# Altium PCB PCB4.PcbDoc (continued)
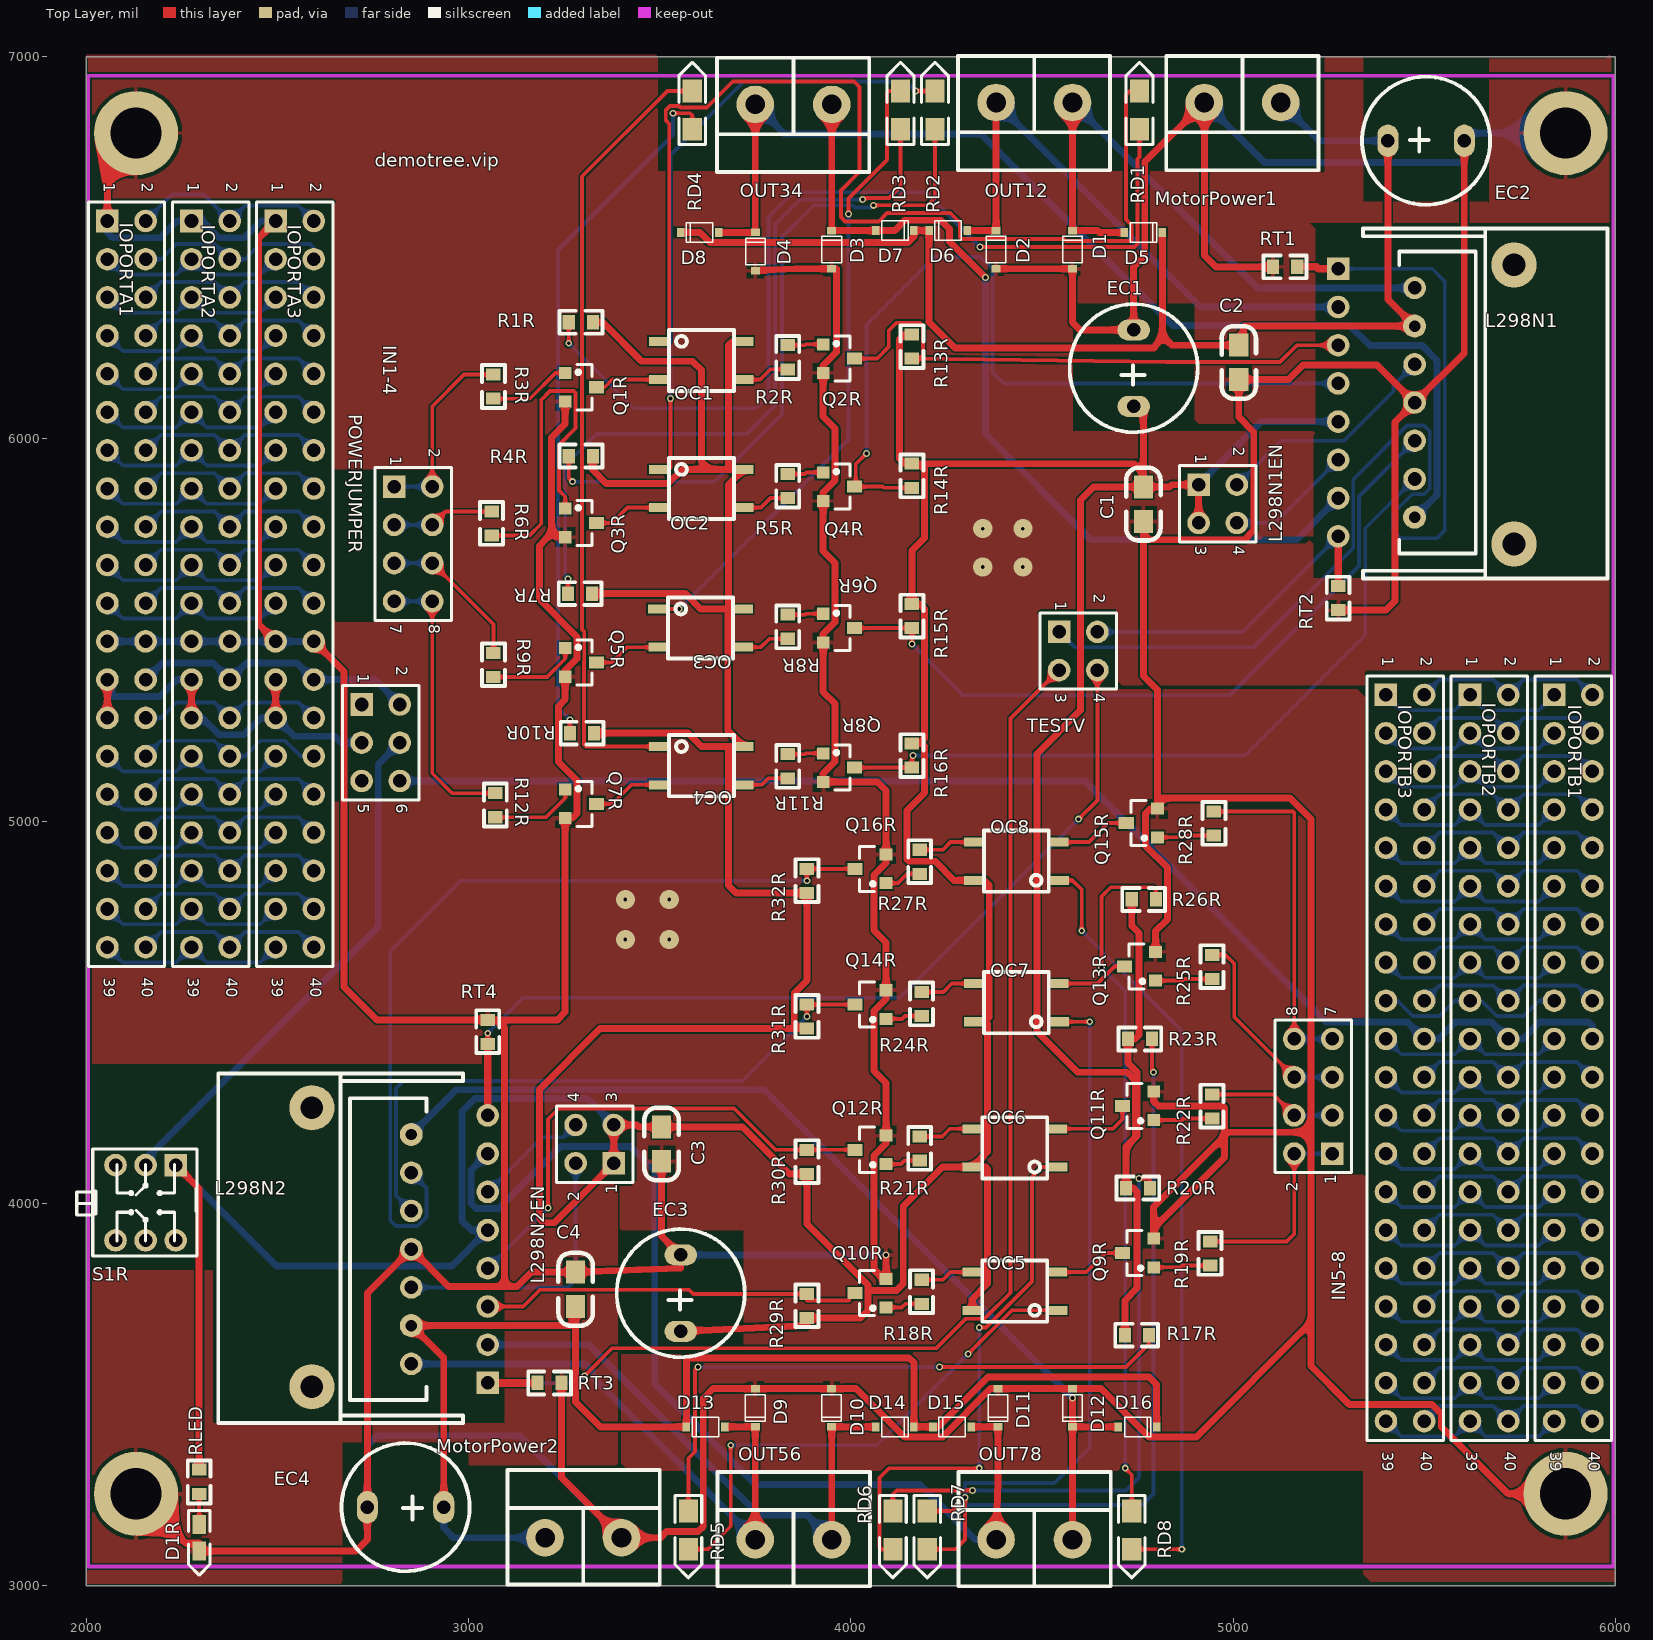
[diagram p0: Top Layer view]
## Nets (pads, with @x,y where several pads share a name; then routed paths per layer and width w, separated by ;. In a path a pad name is that pad's centre, name@x,y a point inside that pad or via, vN(x,y) a via of type N, cw(c..) or ccw(c..) an arc to the next point about the centre after c; other vN are vias at no path point) (continued)
  Bottom Layer w18: IOPORTA1.23 IOPORTA1.24 IOPORTA2.23 IOPORTA2.24 IOPORTA3.23 IOPORTA3.24 ; IOPORTA1.1 2055,6540 2069,6526 2193,6526 2237,6570 IOPORTA2.1 2303,6570 2347,6526 2413,6526 2457,6570 IOPORTA3.1 ; EC4.2 2735,3367 2760,3392 3133,3392 MotorPower2.2 ; EC3.2 v1(4092.32,3865) ; MotorPower1.2 5082,6723 5600,6723 5605,6728 EC2.2 5605,6800 pad.5
  other v2: 3410,4690 3525,4690 3410,4795 3525,4795 4345,5665 4450,5665 4345,5765 4450,5765
IO1: IN1-4.1 IN1-4.2 R3R.1 | length 504.4
  Top Layer w10: IN1-4.2 2905,6085 2987.99,6167.99 R3R.1
  Bottom Layer w10: IN1-4.1 IN1-4.2
IO1B: L298N1.5 Q2R.3 R13R.1 | length 1488.9
  Top Layer w10: Q2R.3 4069,6210 4099,6240 4099,6283 4120,6304 4180,6304 4189,6295 4189,6220 4179,6210 R13R.1 4826,6201 5123,6201 5167,6245 L298N1.5
IO2: IN1-4.3 IN1-4.4 R6R.1 | length 269.5
  Top Layer w10: IN1-4.4 2940,5810 R6R.1
  Bottom Layer w10: IN1-4.3 IN1-4.4
IO2B: L298N1.7 Q4R.3 R14R.1 | length 2190.1
  Top Layer w10: Q4R.3 Q4R.3@4013,5875 ; v1(4041,5962) 4013,5934 Q4R.3@4013,5875 ; R14R.1 4085.99,5872.01 4083,5875 Q4R.3@4013,5875
  Bottom Layer w10: v1(4041,5962) 4041,6298 4219,6476 4340,6476 4371,6445 4371,6174 4400,6145 L298N1.7
IO3: IN1-4.5 IN1-4.6 R9R.1 | length 401.3
  Top Layer w10: IN1-4.6 3065,5515 R9R.1
  Bottom Layer w10: IN1-4.5 IN1-4.6
IO3B: L298N1.10 Q6R.3 R15R.1 | length 1945.5
  Top Layer w10: Q6R.3 R15R.1 v1(4160,5463)
  Bottom Layer w10: v1(4160,5463) 4294,5329 4990.74,5329 5329.53,5667.79 5329.53,5849.53 L298N1.10
IO4: IN1-4.7 IN1-4.8 R12R.1 | length 736.5
  Top Layer w10: IN1-4.8 2905,5125 2957.01,5072.99 R12R.1
  Bottom Layer w10: IN1-4.7 IN1-4.8
IO4B: L298N1.12 Q8R.3 R16R.1 | length 1958.8
  Top Layer w10: Q8R.3 R16R.1 4160,5169 v1(4163,5172)
  Bottom Layer w10: v1(4163,5172) 5031,5172 5346,5487 5346,5766 L298N1.12
IO5: IN5-8.1 IN5-8.2 R19R.1 | length 538.3
  Top Layer w10: R19R.1 5140,3900 5160,3920 IN5-8.2
  Bottom Layer w10: IN5-8.2 IN5-8.1
IO5B: L298N2.5 Q10R.3 R29R.1 | length 1019.4
  Top Layer w10: L298N2.5 3143,3730 3187,3774 3576.99,3774 3588,3762.99 R29R.1 3885,3746 3995.94,3746 3995.94,3765 Q10R.3
IO6: IN5-8.3 IN5-8.4 R22R.1 | length 337.8
  Top Layer w10: R22R.1 5105,4285 IN5-8.4
  Bottom Layer w10: IN5-8.4 IN5-8.3
IO6B: L298N2.7 Q12R.3 R30R.1 | length 1314.4
  Top Layer w10: v1(3208,3988) 3208,4220 3236,4248 3695,4248 3803,4140 R30R.1 Q12R.3
  Bottom Layer w10: L298N2.7 v1(3208,3988)
IO7: IN5-8.5 IN5-8.6 R25R.1 | length 529.6
  Top Layer w10: R25R.1 4980,4650 5003,4627 5003,4487 IN5-8.6
  Bottom Layer w10: IN5-8.6 IN5-8.5
IO7B: L298N2.10 Q14R.3 R31R.1 | length 1646.5
  Top Layer w10: v1(3885,4489) R31R.1 Q14R.3
  Bottom Layer w10: L298N2.10 2810,4020 2810,4300 2830,4320 3716,4320 v1(3885,4489)
IO8: IN5-8.7 IN5-8.8 R28R.1 | length 903.2
  Top Layer w10: R28R.1 5157,5025 5160,5022 IN5-8.8
  Bottom Layer w10: IN5-8.8 IN5-8.7
IO8B: L298N2.12 Q16R.3 R32R.1 | length 2270.8
  Top Layer w10: v1(3885,4844) R32R.1 Q16R.3
  Bottom Layer w10: L298N2.12 2890,4040 2890,3964.1 2866.37,3940.47 2810,3940.47 2795,3955.47 2795,4660 2979,4844 v1(3885,4844)
NetD1R_A: D1R.A RLED.1 | length 80.1
  Top Layer w10: RLED.1 2295,3199.26 2295.26,3199 D1R.A
NetOC1_1: OC1.1 RD1.K | length 2799.6
  Top Layer w10: OC1.1 3525,6255 3525,6824 3516,6833 3516,6860 3527,6871 3550,6871 3554,6867 3623,6867 3691,6935 4009,6935 4023,6921 4023,6699 3974,6650 3974,6580 3985,6569 4073,6569 4095,6591 4260,6591 4285,6566 4285,6528.19 4290,6523.19 4557,6523.19 4562.19,6518 4734.84,6518 4734.84,6559.08 4719.84,6574.08 4719.84,6900 4729.84,6910 RD1.K
NetOC1_2: OC1.2 Q1R.3 | length 171.9
  Top Layer w10: Q1R.3 3356,6135 3376,6155 OC1.2
NetOC1_3: OC1.3 R2R.1 | length 126.2
  Top Layer w10: OC1.3 3763,6155 3790.01,6182.01 R2R.1
NetOC2_1: OC2.1 RD2.K | length 1633
  Top Layer w10: OC2.1 3523,5920 3528,5925 v1(3528,6105.7) ; v1(4170,6910) RD2.K
  Bottom Layer w10: v1(3528,6105.7) 3528,6743 3720,6935 4145,6935 v1(4170,6910)
NetOC2_2: OC2.2 Q3R.3 | length 180.2
  Top Layer w10: Q3R.3 3376,5780 3416,5820 OC2.2
NetOC2_3: OC2.3 R5R.1 | length 125.4
  Top Layer w10: OC2.3 3765,5820 3790,5845 R5R.1
NetOC3_1: OC3.1 RD3.K | length 1668.4
  Top Layer w10: OC3.1 v1(3551,5555) ; v1(3994,6588) 3994,6629 4095,6730 4095,6905 4100,6910 RD3.K
  Bottom Layer w10: v1(3551,5555) 3994,5998 v1(3994,6588)
NetOC3_2: OC3.2 Q5R.3 | length 178.2
  Top Layer w10: Q5R.3 3375,5415 3415,5455 OC3.2
NetOC3_3: OC3.3 R8R.1 | length 126.1
  Top Layer w10: OC3.3 3765,5455 3787.01,5477.01 R8R.1
NetOC4_1: OC4.1 RD4.K | length 2066.9
  Top Layer w10: OC4.1 3307,5195 3302,5200 3302,5416.63 3302.41,5417.05 3302.41,5495.74 3297,5501.15 3297,6687 3520,6910 RD4.K
NetOC4_2: OC4.2 Q7R.3 | length 184.3
  Top Layer w10: Q7R.3 3376,5045 3426,5095 OC4.2
NetOC4_3: OC4.3 R11R.1 | length 122
  Top Layer w10: OC4.3 3768,5095 3785.01,5112.01 R11R.1
NetOC5_1: OC5.1 RD5.K | length 1349.1
  Top Layer w10: RD5.K 3626,3095 3686,3155 v1(3686,3367) ; v1(4307,3606) 4421,3720 OC5.1
  Bottom Layer w10: v1(3686,3367) 4068,3367 v1(4307,3606)
NetOC5_2: OC5.2 Q9R.3 | length 191.3
  Top Layer w10: OC5.2 4616,3820 4666,3870 Q9R.3
NetOC5_3: OC5.3 R18R.1 | length 141.3
  Top Layer w10: R18R.1 4241,3800 4261,3820 OC5.3
NetOC6_1: OC6.1 RD6.K | length 1397.7
  Top Layer w10: RD6.K 4080,3095 4075,3100 4075,3282 4100,3307 v1(4336,3307) ; v1(4336,3675) 4353.59,3675 4474,3795.41 4474,4069 4500,4095 OC6.1
  Bottom Layer w10: v1(4336,3307) v1(4336,3675)
NetOC6_2: OC6.2 Q11R.3 | length 216
  Top Layer w10: OC6.2 4685.63,4195 4710.63,4220 Q11R.3
NetOC6_3: OC6.3 R21R.1 | length 146.3
  Top Layer w10: R21R.1 4239,4175 4259,4195 OC6.3
NetOC7_1: OC7.1 RD7.K | length 1815.9
  Top Layer w10: RD7.K 4274,3095 4299,3120 v1(4299,3230) ; OC7.1 v1(4625,4475)
  Bottom Layer w10: v1(4299,3230) 4299,3267 4300,3268 4533,3268 4625,3360 v1(4625,4475)
NetOC7_2: OC7.2 Q13R.3 | length 190.3
  Top Layer w10: OC7.2 4645.15,4575 4690.15,4620 Q13R.3
NetOC7_3: OC7.3 R24R.1 | length 146.1
  Top Layer w10: R24R.1 4242,4552.99 4264.01,4575 OC7.3
NetOC8_1: OC8.1 RD8.K | length 2034.5
  Top Layer w10: OC8.1 4580,4845 4604,4821 v1(4604,4712.93) ; RD8.K v1(4866,3095)
  Bottom Layer w10: v1(4604,4712.93) 4866,4450.93 v1(4866,3095)
NetOC8_2: OC8.2 Q15R.3 | length 197.3
  Top Layer w10: OC8.2 4623,4945 4673,4995 Q15R.3
NetOC8_3: OC8.3 R27R.1 | length 150.3
  Top Layer w10: R27R.1 4241,4925 4261,4945 OC8.3
NetQ1R_1: Q1R.1 R3R.2 | length 215.6
  Top Layer w10: R3R.2 3160,6105 3227.4,6172.4 Q1R.1
NetQ2R_1: Q2R.1 R2R.2 | length 93.7
  Top Layer w10: R2R.2 3880,6245 3882.4,6247.4 Q2R.1
NetQ3R_1: Q3R.1 R6R.2 | length 895.9
  Top Layer w10: R6R.2 3159,5747.01 3190,5778.01 3190,6102 3213,6125 3275,6125 3280,6120 3280,6027.74 3236.26,5984 3236.26,5864.91 3252.68,5848.49 Q3R.1
NetQ4R_1: Q4R.1 R5R.2 | length 94.5
  Top Layer w10: R5R.2 3879,5907.99 3883.41,5912.4 Q4R.1
NetQ5R_1: Q5R.1 R9R.2 | length 235.1
  Top Layer w10: R9R.2 3205.01,5377.01 3252.68,5424.68 Q5R.1
NetQ6R_1: Q6R.1 R8R.2 | length 93.7
  Top Layer w10: R8R.2 3880,5540 3882.4,5542.4 Q6R.1
NetQ7R_1: Q7R.1 R12R.2 | length 225.8
  Top Layer w10: R12R.2 3202.68,5010 3252.68,5060 Q7R.1
NetQ8R_1: Q8R.1 R11R.2 | length 93.7
  Top Layer w10: R11R.2 3880,5175 3882.4,5177.4 Q8R.1
NetQ9R_1: Q9R.1 R19R.2 | length 149.5
  Top Layer w10: Q9R.1 4863,3832.6 4867.41,3837.01 R19R.2
NetQ10R_1: Q10R.1 R18R.2 | length 96.6
  Top Layer w10: Q10R.1 4133,3727.6 4142.41,3737.01 R18R.2
NetQ11R_1: Q11R.1 R22R.2 | length 154.5
  Top Layer w10: Q11R.1 4866,4217.6 4870.41,4222.01 R22R.2
NetQ12R_1: Q12R.1 R21R.2 | length 91.6
  Top Layer w10: Q12R.1 4131,4102.6 4140.41,4112.01 R21R.2
NetQ13R_1: Q13R.1 R25R.2 | length 149.5
  Top Layer w10: Q13R.1 4868,4582.6 4872.41,4587.01 R25R.2
NetQ14R_1: Q14R.1 R24R.2 | length 95.7
  Top Layer w10: Q14R.1 4134,4482.6 4141.4,4490 R24R.2
NetQ15R_1: Q15R.1 R28R.2 | length 149.5
  Top Layer w10: Q15R.1 4873,4957.6 4877.41,4962.01 R28R.2
NetQ16R_1: Q16R.1 R27R.2 | length 97.8
  Top Layer w10: Q16R.1 4123,4837.6 4147.41,4862.01 R27R.2
NetR1R_2: R1R.2 RD1.A | length 2486.6
  Top Layer w10: v1(3262.01,6249.99) R1R.2 ; v1(4338,6502) 4741.84,6502 4749.84,6510 4749.84,6731.84 4755,6737 RD1.A
  Bottom Layer w10: v1(3262.01,6249.99) 3432,6080 3753.8,6080 3785,6111.2 3785,6580 3850,6645 4195,6645 v1(4338,6502)
NetR4R_2: R4R.2 RD2.A | length 1782.6
  Top Layer w10: R4R.2 3262.01,5897.99 v1(3272,5888) ; v1(4059,6611) 4200,6611 4220,6631 RD2.A
  Bottom Layer w10: v1(3272,5888) 3643.79,5888 3820,6064.21 3820,6528 3903,6611 4004.98,6611 4011.09,6604.89 4052.89,6604.89 v1(4059,6611)
NetR7R_2: R7R.2 RD3.A | length 1945.5
  Top Layer w10: R7R.2 v1(3260,5634) ; v1(4031,6626) 4035,6630 4100,6630 4130,6660 RD3.A
  Bottom Layer w10: v1(3260,5634) 3253,5641 3253,5931 3335,6013 3728,6013 3802,6087 3802,6561 3867,6626 v1(4031,6626)
NetR10R_2: R10R.2 RD4.A | length 1848.6
  Top Layer w10: R10R.2 v1(3265,5265) ; v1(3535,6852) 3580,6852 3585,6847 RD4.A
  Bottom Layer w10: v1(3265,5265) 3234,5296 3234,6494 3535,6795 v1(3535,6852)
NetR17R_2: R17R.2 RD5.A | length 1615.2
  Top Layer w10: RD5.A 3575,3333 3592,3350 3592,3564 v1(3600,3572) ; v1(4232,3572) 4720,3572 4780,3632 R17R.2
  Bottom Layer w10: v1(3600,3572) v1(4232,3572)
NetR20R_2: R20R.2 RD6.A | length 1539.3
  Top Layer w10: RD6.A 4110,3239 4120,3249 v1(4318,3249) ; v1(4754,4065) 4777.99,4065 4782.99,4060 R20R.2
  Bottom Layer w10: v1(4318,3249) 4720,3249 4754,3283 v1(4754,4065)
NetR23R_2: R23R.2 RD7.A | length 1802.3
  Top Layer w10: RD7.A 4264,3195 v1(4280,3211) ; R23R.2 4787.99,4347.01 v1(4792,4343)
  Bottom Layer w10: v1(4280,3211) 4763,3211 4792,3240 v1(4792,4343)
NetR26R_2: R26R.2 RD8.A | length 1820.6
  Top Layer w10: v1(4656,4617) 4656,4803 4680,4827 4790.99,4827 4797.99,4820 R26R.2 ; v1(4718,3307) 4735,3290 RD8.A
  Bottom Layer w10: v1(4656,4617) 4718,4555 v1(4718,3307)
NRST: IOPORTA1.34 IOPORTA2.34 IOPORTA3.34 | length 506.3
  Bottom Layer w10: IOPORTA1.34 2195,5010 2335,5010 IOPORTA2.34 2415,5010 2555,5010 IOPORTA3.34
OUT1: D1.K D5.A L298N1.2 OUT12.1 | length 1568
  Top Layer w18: OUT12.1 D1.K 4645,6545 4650,6540 D5.A
  Bottom Layer w18: OUT12.1 5065,6395 L298N1.2
OUT2: D2.K D6.A L298N1.3 OUT12.2 | length 1526.6
  Top Layer w18: D6.A D2.K OUT12.2
  Bottom Layer w18: OUT12.2 4915,6345 L298N1.3
OUT3: D3.K D7.A L298N1.13 OUT34.1 | length 2316.5
  Top Layer w18: OUT34.1 D3.K D7.A 4115,6545 4142,6572 4235,6572 4258.4,6548.6 4258.4,6515.79 v1(4352,6422.19)
  Bottom Layer w18: v1(4352,6422.19) 4352,6013 4629,5736 5166,5736 L298N1.13
OUT4: D4.K D8.A L298N1.14 OUT34.2 | length 2925.6
  Top Layer w18: D8.A D4.K OUT34.2
  Bottom Layer w18: OUT34.2 3827,6798 4341,6798 4842,6297 5305,6297 5358,6244 5495,6244 5533.53,6205.47 5533.53,5853.53 L298N1.14
OUT5: D9.K D13.A L298N2.2 OUT56.1 | length 1474.9
  Top Layer w18: D13.A D9.K OUT56.1
  Bottom Layer w18: L298N2.2 3306,3580 3326,3560 3326,3544 OUT56.1
OUT6: D10.K D14.A L298N2.3 OUT56.2 | length 1521.2
  Top Layer w18: OUT56.2 D10.K D14.A
  Bottom Layer w18: L298N2.3 3314,3630 3760,3184 3886,3184 OUT56.2
OUT7: D11.K D15.A L298N2.13 OUT78.1 | length 2713.3
  Top Layer w18: D15.A D11.K 4385,3273 OUT78.1
  Bottom Layer w18: L298N2.13 3006,4086 3006,4000 3019.53,3986.47 3078.47,3986.47 3241,4149 3424,4149 3487,4086 3487,3528 3751,3264 4181,3264 4325,3120 OUT78.1
OUT8: D12.K D16.A L298N2.14 OUT78.2 | length 2603.3
  Top Layer w18: OUT78.2 D12.K ; v1(4580,3491) D12.K ; D16.A D12.K
  Bottom Layer w18: L298N2.14 2967,4297 3774,4297 v1(4580,3491)
PA1: IOPORTA1.40 IOPORTA2.40 IOPORTA3.40 | length 506.3
  Bottom Layer w10: IOPORTA1.40 2195,4710 2335,4710 IOPORTA2.40 2415,4710 2555,4710 IOPORTA3.40
PA4: IOPORTB1.39 IOPORTB2.39 IOPORTB3.39 | length 506.3
  Bottom Layer w10: IOPORTB3.39 5440,3390 5580,3390 IOPORTB2.39 5660,3390 5800,3390 IOPORTB1.39
PA5: IOPORTB1.40 IOPORTB2.40 IOPORTB3.40 | length 506.3
  Bottom Layer w10: IOPORTB3.40 5540,3470 5680,3470 IOPORTB2.40 5760,3470 5900,3470 IOPORTB1.40
PA6: IOPORTB1.37 IOPORTB2.37 IOPORTB3.37 | length 506.3
  Bottom Layer w10: IOPORTB3.37 5440,3490 5580,3490 IOPORTB2.37 5660,3490 5800,3490 IOPORTB1.37
PA7: IOPORTB1.38 IOPORTB2.38 IOPORTB3.38 | length 506.3
  Bottom Layer w10: IOPORTB3.38 5540,3570 5680,3570 IOPORTB2.38 5760,3570 5900,3570 IOPORTB1.38
PA8: IOPORTB1.3 IOPORTB2.3 IOPORTB3.3 | length 506.3
  Bottom Layer w10: IOPORTB3.3 5440,5190 5580,5190 IOPORTB2.3 5660,5190 5800,5190 IOPORTB1.3
PA11: IOPORTB1.2 IOPORTB2.2 IOPORTB3.2 | length 506.3
  Bottom Layer w10: IOPORTB3.2 5540,5370 5680,5370 IOPORTB2.2 5760,5370 5900,5370 IOPORTB1.2
PA12: IOPORTB1.1 IOPORTB2.1 IOPORTB3.1 | length 506.3
  Bottom Layer w10: IOPORTB3.1 5440,5290 5580,5290 IOPORTB2.1 5660,5290 5800,5290 IOPORTB1.1
PA15: IOPORTA1.2 IOPORTA2.2 IOPORTA3.2 | length 530.3
  Bottom Layer w10: IOPORTA1.2 2224,6639 2306,6639 IOPORTA2.2 2415,6610 2555,6610 IOPORTA3.2
PB0: IOPORTB1.34 IOPORTB2.34 IOPORTB3.34 | length 506.3
  Bottom Layer w10: IOPORTB3.34 5540,3770 5680,3770 IOPORTB2.34 5760,3770 5900,3770 IOPORTB1.34
PB1: IOPORTB1.33 IOPORTB2.33 IOPORTB3.33 | length 506.3
  Bottom Layer w10: IOPORTB3.33 5440,3690 5580,3690 IOPORTB2.33 5660,3690 5800,3690 IOPORTB1.33
PB3: IOPORTA1.14 IOPORTA2.14 IOPORTA3.14 | length 506.3
  Bottom Layer w10: IOPORTA1.14 2195,6010 2335,6010 IOPORTA2.14 2415,6010 2555,6010 IOPORTA3.14
PB4: IOPORTA1.15 IOPORTA2.15 IOPORTA3.15 | length 506.3
  Bottom Layer w10: IOPORTA1.15 2095,5830 2235,5830 IOPORTA2.15 2315,5830 2455,5830 IOPORTA3.15
PB5: IOPORTA1.16 IOPORTA2.16 IOPORTA3.16 | length 506.3
  Bottom Layer w10: IOPORTA1.16 2195,5910 2335,5910 IOPORTA2.16 2415,5910 2555,5910 IOPORTA3.16
PB6: IOPORTA1.17 IOPORTA2.17 IOPORTA3.17 | length 506.3
  Bottom Layer w10: IOPORTA1.17 2095,5730 2235,5730 IOPORTA2.17 2315,5730 2455,5730 IOPORTA3.17
PB7: IOPORTA1.18 IOPORTA2.18 IOPORTA3.18 | length 506.3
  Bottom Layer w10: IOPORTA1.18 2195,5810 2335,5810 IOPORTA2.18 2415,5810 2555,5810 IOPORTA3.18
PB8: IOPORTA1.19 IOPORTA2.19 IOPORTA3.19 | length 506.3
  Bottom Layer w10: IOPORTA1.19 2095,5630 2235,5630 IOPORTA2.19 2315,5630 2455,5630 IOPORTA3.19
PB9: IOPORTA1.20 IOPORTA2.20 IOPORTA3.20 | length 506.3
  Bottom Layer w10: IOPORTA1.20 2195,5710 2335,5710 IOPORTA2.20 2415,5710 2555,5710 IOPORTA3.20
PB12: IOPORTB1.19 IOPORTB2.19 IOPORTB3.19 | length 506.3
  Bottom Layer w10: IOPORTB3.19 5440,4390 5580,4390 IOPORTB2.19 5660,4390 5800,4390 IOPORTB1.19
PB13: IOPORTB1.18 IOPORTB2.18 IOPORTB3.18 | length 506.3
  Bottom Layer w10: IOPORTB3.18 5540,4570 5680,4570 IOPORTB2.18 5760,4570 5900,4570 IOPORTB1.18
PB14: IOPORTB1.17 IOPORTB2.17 IOPORTB3.17 | length 506.3
  Bottom Layer w10: IOPORTB3.17 5430,4530 5470,4490 5540,4490 5580,4530 IOPORTB2.17 5650,4530 5690,4490 5760,4490 5800,4530 IOPORTB1.17
PB15: IOPORTB1.16 IOPORTB2.16 IOPORTB3.16 | length 506.3
  Bottom Layer w10: IOPORTB3.16 5540,4670 5680,4670 IOPORTB2.16 5760,4670 5900,4670 IOPORTB1.16
PC0: IOPORTA1.35 IOPORTA2.35 IOPORTA3.35 | length 506.3
  Bottom Layer w10: IOPORTA1.35 2095,4830 2235,4830 IOPORTA2.35 2315,4830 2455,4830 IOPORTA3.35
PC1: IOPORTA1.36 IOPORTA2.36 IOPORTA3.36 | length 506.3
  Bottom Layer w10: IOPORTA1.36 2195,4910 2335,4910 IOPORTA2.36 2415,4910 2555,4910 IOPORTA3.36
PC2: IOPORTA1.37 IOPORTA2.37 IOPORTA3.37 | length 506.3
  Bottom Layer w10: IOPORTA1.37 2095,4730 2235,4730 IOPORTA2.37 2315,4730 2455,4730 IOPORTA3.37
PC3: IOPORTA1.38 IOPORTA2.38 IOPORTA3.38 | length 506.3
  Bottom Layer w10: IOPORTA1.38 2195,4810 2335,4810 IOPORTA2.38 2415,4810 2555,4810 IOPORTA3.38
PC4: IOPORTB1.36 IOPORTB2.36 IOPORTB3.36 | length 506.3
  Bottom Layer w10: IOPORTB3.36 5540,3670 5680,3670 IOPORTB2.36 5760,3670 5900,3670 IOPORTB1.36
PC5: IOPORTB1.35 IOPORTB2.35 IOPORTB3.35 | length 506.3
  Bottom Layer w10: IOPORTB3.35 5440,3590 5580,3590 IOPORTB2.35 5660,3590 5800,3590 IOPORTB1.35
PC6: IOPORTB1.7 IOPORTB2.7 IOPORTB3.7 | length 506.3
  Bottom Layer w10: IOPORTB3.7 5440,4990 5580,4990 IOPORTB2.7 5660,4990 5800,4990 IOPORTB1.7
PC7: IOPORTB1.6 IOPORTB2.6 IOPORTB3.6 | length 506.3
  Bottom Layer w10: IOPORTB3.6 5540,5170 5680,5170 IOPORTB2.6 5760,5170 5900,5170 IOPORTB1.6
PC8: IOPORTB1.5 IOPORTB2.5 IOPORTB3.5 | length 506.3
  Bottom Layer w10: IOPORTB3.5 5440,5090 5580,5090 IOPORTB2.5 5660,5090 5800,5090 IOPORTB1.5
PC9: IOPORTB1.4 IOPORTB2.4 IOPORTB3.4 | length 506.3
  Bottom Layer w10: IOPORTB3.4 5540,5270 5680,5270 IOPORTB2.4 5760,5270 5900,5270 IOPORTB1.4
PC10: IOPORTA1.3 IOPORTA2.3 IOPORTA3.3 | length 506.3
  Bottom Layer w10: IOPORTA1.3 2095,6430 2235,6430 IOPORTA2.3 2315,6430 2455,6430 IOPORTA3.3
PC11: IOPORTA1.4 IOPORTA2.4 IOPORTA3.4 | length 523.8
  Bottom Layer w10: IOPORTA1.4 2195,6470 2235,6510 2335,6510 IOPORTA2.4 2415,6470 2455,6510 2585,6510 2595,6500 IOPORTA3.4
PC12: IOPORTA1.5 IOPORTA2.5 IOPORTA3.5 | length 506.3
  Bottom Layer w10: IOPORTA1.5 2095,6330 2235,6330 IOPORTA2.5 2315,6330 2455,6330 IOPORTA3.5
PC13: IOPORTA1.33 IOPORTA2.33 IOPORTA3.33 | length 506.3
  Bottom Layer w10: IOPORTA1.33 2095,4930 2235,4930 IOPORTA2.33 2315,4930 2455,4930 IOPORTA3.33
PD0: IOPORTA1.6 IOPORTA2.6 IOPORTA3.6 | length 506.3
  Bottom Layer w10: IOPORTA1.6 2195,6410 2335,6410 IOPORTA2.6 2415,6410 2555,6410 IOPORTA3.6
PD1: IOPORTA1.7 IOPORTA2.7 IOPORTA3.7 | length 506.3
  Bottom Layer w10: IOPORTA1.7 2095,6230 2235,6230 IOPORTA2.7 2315,6230 2455,6230 IOPORTA3.7
PD3: IOPORTA1.9 IOPORTA2.9 IOPORTA3.9 | length 506.3
  Bottom Layer w10: IOPORTA1.9 2095,6130 2235,6130 IOPORTA2.9 2315,6130 2455,6130 IOPORTA3.9
PD4: IOPORTA1.10 IOPORTA2.10 IOPORTA3.10 | length 506.3
  Bottom Layer w10: IOPORTA1.10 2195,6210 2335,6210 IOPORTA2.10 2415,6210 2555,6210 IOPORTA3.10
PD5: IOPORTA1.11 IOPORTA2.11 IOPORTA3.11 | length 506.3
  Bottom Layer w10: IOPORTA1.11 2095,6030 2235,6030 IOPORTA2.11 2315,6030 2455,6030 IOPORTA3.11
PD6: IOPORTA1.12 IOPORTA2.12 IOPORTA3.12 | length 506.3
  Bottom Layer w10: IOPORTA1.12 2195,6110 2335,6110 IOPORTA2.12 2415,6110 2555,6110 IOPORTA3.12
PD7: IOPORTA1.13 IOPORTA2.13 IOPORTA3.13 | length 506.3
  Bottom Layer w10: IOPORTA1.13 2095,5930 2235,5930 IOPORTA2.13 2315,5930 2455,5930 IOPORTA3.13
PD10: IOPORTB1.13 IOPORTB2.13 IOPORTB3.13 | length 506.3
  Bottom Layer w10: IOPORTB3.13 5440,4690 5580,4690 IOPORTB2.13 5660,4690 5800,4690 IOPORTB1.13
PD11: IOPORTB1.12 IOPORTB2.12 IOPORTB3.12 | length 506.3
  Bottom Layer w10: IOPORTB3.12 5540,4870 5680,4870 IOPORTB2.12 5760,4870 5900,4870 IOPORTB1.12
PD12: IOPORTB1.11 IOPORTB2.11 IOPORTB3.11 | length 506.3
  Bottom Layer w10: IOPORTB3.11 5440,4790 5580,4790 IOPORTB2.11 5660,4790 5800,4790 IOPORTB1.11
PD13: IOPORTB1.10 IOPORTB2.10 IOPORTB3.10 | length 506.3
  Bottom Layer w10: IOPORTB3.10 5540,4970 5680,4970 IOPORTB2.10 5760,4970 5900,4970 IOPORTB1.10
PD14: IOPORTB1.9 IOPORTB2.9 IOPORTB3.9 | length 506.3
  Bottom Layer w10: IOPORTB3.9 5440,4890 5580,4890 IOPORTB2.9 5660,4890 5800,4890 IOPORTB1.9
PD15: IOPORTB1.8 IOPORTB2.8 IOPORTB3.8 | length 506.3
  Bottom Layer w10: IOPORTB3.8 5540,5070 5680,5070 IOPORTB2.8 5760,5070 5900,5070 IOPORTB1.8
PE1: IOPORTA1.22 IOPORTA2.22 IOPORTA3.22 | length 506.3
  Bottom Layer w10: IOPORTA1.22 2195,5610 2335,5610 IOPORTA2.22 2415,5610 2555,5610 IOPORTA3.22
PE2: IOPORTA1.28 IOPORTA2.28 IOPORTA3.28 | length 506.3
  Bottom Layer w10: IOPORTA1.28 2195,5270 2235,5310 2335,5310 IOPORTA2.28 2415,5310 2555,5310 IOPORTA3.28
PE3: IOPORTA1.29 IOPORTA2.29 IOPORTA3.29 | length 506.3
  Bottom Layer w10: IOPORTA1.29 2095,5130 2235,5130 IOPORTA2.29 2315,5130 2455,5130 IOPORTA3.29
PE4: IOPORTA1.30 IOPORTA2.30 IOPORTA3.30 | length 506.3
  Bottom Layer w10: IOPORTA1.30 2195,5210 2335,5210 IOPORTA2.30 2415,5170 2455,5210 2520,5210 2560,5170 IOPORTA3.30
PE5: IOPORTA1.31 IOPORTA2.31 IOPORTA3.31 | length 506.3
  Bottom Layer w10: IOPORTA1.31 2095,5030 2235,5030 IOPORTA2.31 2315,5030 2455,5030 IOPORTA3.31
PE6: IOPORTA1.32 IOPORTA2.32 IOPORTA3.32 | length 506.3
  Bottom Layer w10: IOPORTA1.32 2195,5110 2335,5110 IOPORTA2.32 2415,5110 2555,5110 IOPORTA3.32
PE8: IOPORTB1.30 IOPORTB2.30 IOPORTB3.30 | length 506.3
  Bottom Layer w10: IOPORTB3.30 5540,3970 5680,3970 IOPORTB2.30 5760,3970 5900,3970 IOPORTB1.30
PE9: IOPORTB1.29 IOPORTB2.29 IOPORTB3.29 | length 506.3
  Bottom Layer w10: IOPORTB3.29 5440,3890 5580,3890 IOPORTB2.29 5660,3890 5800,3890 IOPORTB1.29
PE10: IOPORTB1.28 IOPORTB2.28 IOPORTB3.28 | length 506.3
  Bottom Layer w10: IOPORTB3.28 5540,4070 5680,4070 IOPORTB2.28 5760,4070 5900,4070 IOPORTB1.28
PE11: IOPORTB1.27 IOPORTB2.27 IOPORTB3.27 | length 506.3
  Bottom Layer w10: IOPORTB3.27 5440,3990 5580,3990 IOPORTB2.27 5660,3990 5800,3990 IOPORTB1.27
PE12: IOPORTB1.26 IOPORTB2.26 IOPORTB3.26 | length 506.3
  Bottom Layer w10: IOPORTB3.26 5540,4170 5680,4170 IOPORTB2.26 5760,4170 5900,4170 IOPORTB1.26
PE13: IOPORTB1.25 IOPORTB2.25 IOPORTB3.25 | length 506.3
  Bottom Layer w10: IOPORTB3.25 5440,4090 5580,4090 IOPORTB2.25 5660,4090 5800,4090 IOPORTB1.25
PE14: IOPORTB1.24 IOPORTB2.24 IOPORTB3.24 | length 506.3
  Bottom Layer w10: IOPORTB3.24 5540,4270 5680,4270 IOPORTB2.24 5760,4270 5900,4270 IOPORTB1.24
PE15: IOPORTB1.23 IOPORTB2.23 IOPORTB3.23 | length 506.3
  Bottom Layer w10: IOPORTB3.23 5440,4190 5580,4190 IOPORTB2.23 5660,4190 5800,4190 IOPORTB1.23
TEST1A: L298N1.1 RT1.2 TESTV.1 | length 2862.4
  Top Layer w10: 5218,6450 5223,6445
  Top Layer w20: RT1.2 5218,6450 ; 5223,6445 L298N1.1
  Bottom Layer w10: TESTV.1 4585,5455 5055,5455 5314.53,5714.53 5314.53,5894 5455.53,6035 5500,6035 5514.53,6020.47 5514.53,5869.53 5500,5855 5469,5855 5418,5804 5418,5760 5438,5740 5534,5740 5554,5760 5554,6412 5521,6445 L298N1.1
TEST1B: L298N1.15 RT2.2 TESTV.2 | length 863.6
  Top Layer w20: RT2.2 L298N1.15
  Bottom Layer w10: TESTV.2 5025,5495 L298N1.15
TEST2A: L298N2.1 RT3.2 TESTV.3 | length 3277.2
  Top Layer w10: v1(3303,3548) 3376,3621 4223.81,3621 4301,3698.19 4350,3698.19 4418,3766.19 4418,5268 TESTV.3
  Top Layer w20: L298N2.1 RT3.2
  Bottom Layer w10: L298N2.1 3285,3530 v1(3303,3548)
TEST2B: L298N2.15 RT4.2 TESTV.4 | length 2403.3
  Top Layer w10: RT4.2 v1(3050,4445) ; v1(4596,5005) 4645,5054 TESTV.4
  Top Layer w20: L298N2.15 3050,4323 RT4.2
  Bottom Layer w10: v1(3050,4445) 3143,4538 4129,4538 v1(4596,5005)
TIM1_ETR: IOPORTB1.31 IOPORTB2.31 IOPORTB3.31 | length 506.3
  Bottom Layer w10: IOPORTB3.31 5440,3790 5580,3790 IOPORTB2.31 5660,3790 5800,3790 IOPORTB1.31
TIM2_ETR: IOPORTA1.39 IOPORTA2.39 IOPORTA3.39 | length 506.3
  Bottom Layer w10: IOPORTA1.39 2095,4630 2235,4630 IOPORTA2.39 2315,4630 2455,4630 IOPORTA3.39
TIM3_ETR: IOPORTA1.8 IOPORTA2.8 IOPORTA3.8 | length 506.3
  Bottom Layer w10: IOPORTA1.8 2195,6310 2335,6310 IOPORTA2.8 2415,6310 2555,6310 IOPORTA3.8
TIM4_ETR: IOPORTA1.21 IOPORTA2.21 IOPORTA3.21 | length 506.3
  Bottom Layer w10: IOPORTA1.21 2095,5530 2235,5530 IOPORTA2.21 2315,5530 2455,5530 IOPORTA3.21
UART3_RX: IOPORTB1.14 IOPORTB2.14 IOPORTB3.14 | length 506.3
  Bottom Layer w10: IOPORTB3.14 5540,4770 5680,4770 IOPORTB2.14 5760,4770 5900,4770 IOPORTB1.14
UART3_TX: IOPORTB1.15 IOPORTB2.15 IOPORTB3.15 | length 506.3
  Bottom Layer w10: IOPORTB3.15 5440,4590 5580,4590 IOPORTB2.15 5660,4590 5800,4590 IOPORTB1.15
VM1: C2.2 D5.K D6.K D7.K D8.K EC2.1 L298N1.4 MotorPower1.1 | length 3390
  Top Layer w18: D8.K 3605,6540 3631,6514 4150,6514 4165,6529 D7.K D6.K 4205,6306 4273,6238 4793,6238 4815,6270 ; D5.K 4815,6270 ; EC2.1 5405,6365 L298N1.4 5030,6295 C2.2 4840,6245 4815,6270
  Bottom Layer w18: MotorPower1.1 5225,6780 EC2.1
VM2: C4.2 D13.K D14.K D15.K D16.K EC4.1 L298N2.4 MotorPower2.1 | length 3634.7
  Top Layer w18: EC4.1 2935,3595 L298N2.4 3270,3680 C4.2 3280,3480 3345,3415 D13.K 3570,3593.92 3571.54,3595.46 4152.54,3595.46 4165,3583 D14.K D15.K 4228,3415 4359,3546 4780,3546 4800,3526 D16.K
  Bottom Layer w18: EC4.1 2935,3150 2960,3125 MotorPower2.1
VNUC5: IOPORTA1.26 IOPORTA2.26 IOPORTA3.26 POWERJUMPER.2 | length 764.8
  Bottom Layer w18: IOPORTA1.26 2199,5414 2331,5414 IOPORTA2.26 2419,5414 2551,5414 IOPORTA3.26 2755,5370 POWERJUMPER.2
VRL: C1.2 C3.2 EC1.1 EC3.1 L298N1.9 L298N1EN.1 L298N1EN.3 L298N2.9 L298N2EN.1 L298N2EN.3 OC1.4 OC2.4 OC3.4 OC4.4 OC5.4 OC6.4 OC7.4 OC8.4 R1R.1 R4R.1 R7R.1 R10R.1 R13R.2 R14R.2 R15R.2 R16R.2 R17R.1 R20R.1 R23R.1 R26R.1 R29R.2 R30R.2 R31R.2 R32R.2 RLED.2 S1R.1 | length 17921.8
  Top Layer w18: S1R.1 2295,4038.74 RLED.2 ; R7R.1 3567,5595 3607,5555 3690,5555 ; R4R.1 3325,5918 3360,5883 3522,5883 3559,5920 3629,5920 ; R1R.1 3351,6305 3453,6203 3586,6203 3609,6180 3609,5940 3629,5920 ; R10R.1 3574,5230 3609,5195 3690,5195 ; EC3.1 3885,3680 R29R.2 4025,3700 4045,3720 4045,3772 ; OC3.4 3690,5555 ; OC1.4 3690,6255 3680,6245 3680,5930 3690,5920 ; R31R.2 3864.99,4457.01 ; R16R.2 4180,5202.99 ; R13R.2 4139.99,6272.99 4127,6260 4127,5948 4140,5935 R14R.2 4180,5935 ; OC5.4 4318,3750 4358,3790 4358,4090 4353,4095 OC6.4 ; OC7.4 4350,4475 ; R17R.1 4717.01,3746.01 4749,3778 4749,4030 4739,4040 R20R.1 4720,4147 ; R26R.1 4735,4726 4754,4707 4754,4440 4744,4430 R23R.1 4725,4367 4749,4343 4749,4176 4720,4147 ; EC1.1 4765.4,6085 4765.4,5909.6 ; L298N1EN.3 L298N1EN.1 4839.71,5880 4834,5874.29 C1.2 ; 3629,5920 3690,5920 ; 3690,5195 OC4.4 3678,5237 3678,5543 3690,5555 ; 3690,5195 3680,5185 3680,4832.01 3700,4812.01 R32R.2 3885,4583 3852,4550 3852,4470 3864.99,4457.01 ; 3690,5555 3680,5565 3680,5880 OC2.4 3690,5920 ; 3864.99,4457.01 3344.01,4457.01 3185,4298 3185,3960 3196,3949 3224,3949 L298N2EN.1 L298N2EN.3 3440,4205 3445,4200 C3.2 3716,4200 3838.99,4077.01 R30R.2 3885,3946 4045,3786 4045,3772 ; 4045,3772 4120,3772 4137,3789 4137,3992 4240,4095 OC6.4 ; 4180,5202.99 4186.61,5202.99 4193,5196.6 4193,5074 4147,5028 4147,4900 4152,4895 4220,4895 4270,4845 OC8.4 4350,4845 4362,4833 4362,4487 4350,4475 ; 4180,5202.99 4193,5215.99 4193,5554.99 4180,5567.99 R15R.2 4160,5708 4193,5741 4193,5922 4180,5935 ; 4180,5935 4740,5935 4765.4,5909.6 ; OC6.4 4358,4135 4358,4470 4353,4475 4350,4475 ; 4720,4147 4720,4149 4745,4174 4745,4320 4722,4343 4593,4343 4487,4449 4487,5176 4601,5290 4601,5840 4635.29,5874.29 C1.2 ; C1.2 4765.4,5909.6
  Bottom Layer w18: S1R.1 2497.27,3836.47 2956.47,3836.47 L298N2.9 3007,3930 2983,3954 2983,4240 3017,4274 3311,4274 L298N2EN.3 ; L298N1EN.1 5075,6045 L298N1.9
VRLIN: POWERJUMPER.4 S1R.2 | length 1380.5
  Bottom Layer w18: S1R.2 2155,4115 2763.53,4723.53 2763.53,5148.53 POWERJUMPER.4
VUSB_2: IOPORTB1.20 IOPORTB2.20 IOPORTB3.20 POWERJUMPER.6 | length 3492.4
  Bottom Layer w18: POWERJUMPER.6 4612,5105 5243,4474 5456,4474 IOPORTB3.20 5538,4430 5582,4474 5676,4474 IOPORTB2.20 5758,4430 5802,4474 5930,4474 5940,4464 IOPORTB1.20
pads on no net: L298N1.0 L298N2.0 POWERJUMPER.1 POWERJUMPER.5 S1R.3 S1R.4 S1R.5 S1R.6

## Polygon pours and split planes (outlines as drawn)
GND on Top Layer "Top Layer-GND" (solid, pour order 33): 2000,7000 2005,6995 2005,6630 2645,6630 2655,6620 2645,6610 2645,5920 2955,5920 2955,5520 2655,5520 2650,5525 2645,5520 2645,5355 2865,5355 2870,5360 2870,5050 2650,5050 2645,5055 2645,4615 2015,4615 2010,4620 2005,4615 2005,4365 3090,4365 3095,4360 3095,3425 2335,3425 2330,3430 2330,3825 2020,3825 2000,3805 2000,3005 2665,3005 2670,3010 2670,3375 2995,3375 3000,3380 3000,3315 3385,3315 3390,3320 3390,4055 3230,4055 3230,4255 3440,4255 3440,4060 3425,4045 3395,4045 3395,3935 3400,3930 3720,3930 3720,3605 3400,3605 3400,3320 3420,3300 5340,3300 5340,3030 5360,3010 6000,3010 6000,3375 5995,3380 5985,3370 5350,3370 5350,4065 5340,4075 5105,4075 5105,4480 5100,4485 5345,4485 5345,5315 5350,5320 5325,5345 4490,5345 4490,5540 4485,5545 4495,5555 4695,5555 4695,5370 4710,5355 5345,5355 5345,5390 5350,5395 5990,5395 5990,5625 5980,5635 5210,5635 5210,5725 5200,5735 5190,5725 4860,5725 4860,5925 4865,5930 4870,5925 5065,5925 5065,5740 5070,5735 5080,5745 5210,5745 5210,6010 5215,6015 5210,6020 4580,6020 4580,6355 4900,6355 4900,6050 4910,6040 5215,6040 5215,6550 5200,6565 5990,6565 5990,7000 5985,7005 5975,6995 5670,6995 5670,6615 5665,6620 5340,6620 5340,7000 5240,7000 5240,6700 5235,6695 5230,6700 3495,6700 3495,7000 3490,7005 2000,7005
GND on Bottom Layer "Bottom Layer-GND" (solid, pour order 35): 2000,7000 2005,6995 2005,6630 2645,6630 2655,6620 2645,6610 2645,5920 2955,5920 2955,5520 2655,5520 2650,5525 2645,5520 2645,5355 2865,5355 2870,5360 2870,5050 2650,5050 2645,5055 2645,4615 2015,4615 2010,4620 2005,4615 2005,4365 3090,4365 3095,4360 3095,3425 2335,3425 2330,3430 2330,3825 2020,3825 2000,3805 2000,3005 2665,3005 2670,3010 2670,3375 2995,3375 3000,3380 3000,3315 3385,3315 3390,3320 3390,4055 3230,4055 3230,4255 3440,4255 3440,4060 3425,4045 3395,4045 3395,3935 3400,3930 3720,3930 3720,3605 3400,3605 3400,3320 3420,3300 5340,3300 5340,3030 5360,3010 6000,3010 6000,3375 5995,3380 5985,3370 5350,3370 5350,4065 5340,4075 5105,4075 5105,4480 5100,4485 5345,4485 5345,5315 5350,5320 5325,5345 4490,5345 4490,5540 4485,5545 4495,5555 4695,5555 4695,5370 4710,5355 5345,5355 5345,5390 5350,5395 5990,5395 5990,5625 5980,5635 5210,5635 5210,5725 5200,5735 5190,5725 4860,5725 4860,5925 4865,5930 4870,5925 5065,5925 5065,5740 5070,5735 5080,5745 5210,5745 5210,6010 5215,6015 5210,6020 4580,6020 4580,6355 4900,6355 4900,6050 4910,6040 5215,6040 5215,6550 5200,6565 5990,6565 5990,7000 5985,7005 5975,6995 5670,6995 5670,6615 5665,6620 5340,6620 5340,7000 5240,7000 5240,6700 5235,6695 5230,6700 3495,6700 3495,7000 3490,7005 2000,7005

## Keep-outs
Keep-Out Layer:
  lines w10: 2005,3050 2005,6950 5995,6950 5995,3050 2005,3050

## Silkscreen, mask and mechanical layers (free items; w line width, h text height)
Top Overlay:
  text "demotree.vip" at 2755,6700 h60
Top Paste:
  drawing of 1497 lines, arcs and shapes, not listed
Top Solder:
  drawing of 1497 lines, arcs and shapes, not listed

## Text inside footprints (layer, text, board x,y; h text height)
IN1-4: Top Overlay "2" at 2885,5975 h50 r270; Top Overlay "1" at 2785,5955 h50 r270; Top Overlay "7" at 2785,5515 h50 r270; Top Overlay "8" at 2885,5515 h50 r270
IN5-8: Top Overlay "2" at 5180,4030 h50 r90; Top Overlay "1" at 5280,4050 h50 r90; Top Overlay "7" at 5280,4490 h50 r90; Top Overlay "8" at 5180,4490 h50 r90
IOPORTA1: Top Overlay "1" at 2035,6670 h50 r270; Top Overlay "2" at 2135,6670 h50 r270; Top Overlay "40" at 2135,4590 h50 r270; Top Overlay "39" at 2035,4590 h50 r270
IOPORTA2: Top Overlay "1" at 2255,6670 h50 r270; Top Overlay "2" at 2355,6670 h50 r270; Top Overlay "40" at 2355,4590 h50 r270; Top Overlay "39" at 2255,4590 h50 r270
IOPORTA3: Top Overlay "1" at 2475,6670 h50 r270; Top Overlay "2" at 2575,6670 h50 r270; Top Overlay "40" at 2575,4590 h50 r270; Top Overlay "39" at 2475,4590 h50 r270
IOPORTB1: Top Overlay "1" at 5820,5430 h50 r270; Top Overlay "2" at 5920,5430 h50 r270; Top Overlay "40" at 5920,3350 h50 r270; Top Overlay "39" at 5820,3350 h50 r270
IOPORTB2: Top Overlay "1" at 5600,5430 h50 r270; Top Overlay "2" at 5700,5430 h50 r270; Top Overlay "40" at 5700,3350 h50 r270; Top Overlay "39" at 5600,3350 h50 r270
IOPORTB3: Top Overlay "1" at 5380,5430 h50 r270; Top Overlay "2" at 5480,5430 h50 r270; Top Overlay "40" at 5480,3350 h50 r270; Top Overlay "39" at 5380,3350 h50 r270
L298N1EN: Top Overlay "1" at 4890,5960 h50 r270; Top Overlay "2" at 4990,5980 h50 r270; Top Overlay "4" at 4990,5720 h50 r270; Top Overlay "3" at 4890,5720 h50 r270
L298N2EN: Top Overlay "1" at 3400,4025 h50 r90; Top Overlay "2" at 3300,4005 h50 r90; Top Overlay "4" at 3300,4265 h50 r90; Top Overlay "3" at 3400,4265 h50 r90
POWERJUMPER: Top Overlay "6" at 2800,5045 h50 r270; Top Overlay "5" at 2700,5045 h50 r270; Top Overlay "2" at 2800,5405 h50 r270; Top Overlay "1" at 2700,5385 h50 r270
TESTV: Top Overlay "1" at 4525,5575 h50 r270; Top Overlay "2" at 4625,5595 h50 r270; Top Overlay "4" at 4625,5335 h50 r270; Top Overlay "3" at 4525,5335 h50 r270